# KiCad board USB Cable Tester.kicad_pcb (continued)
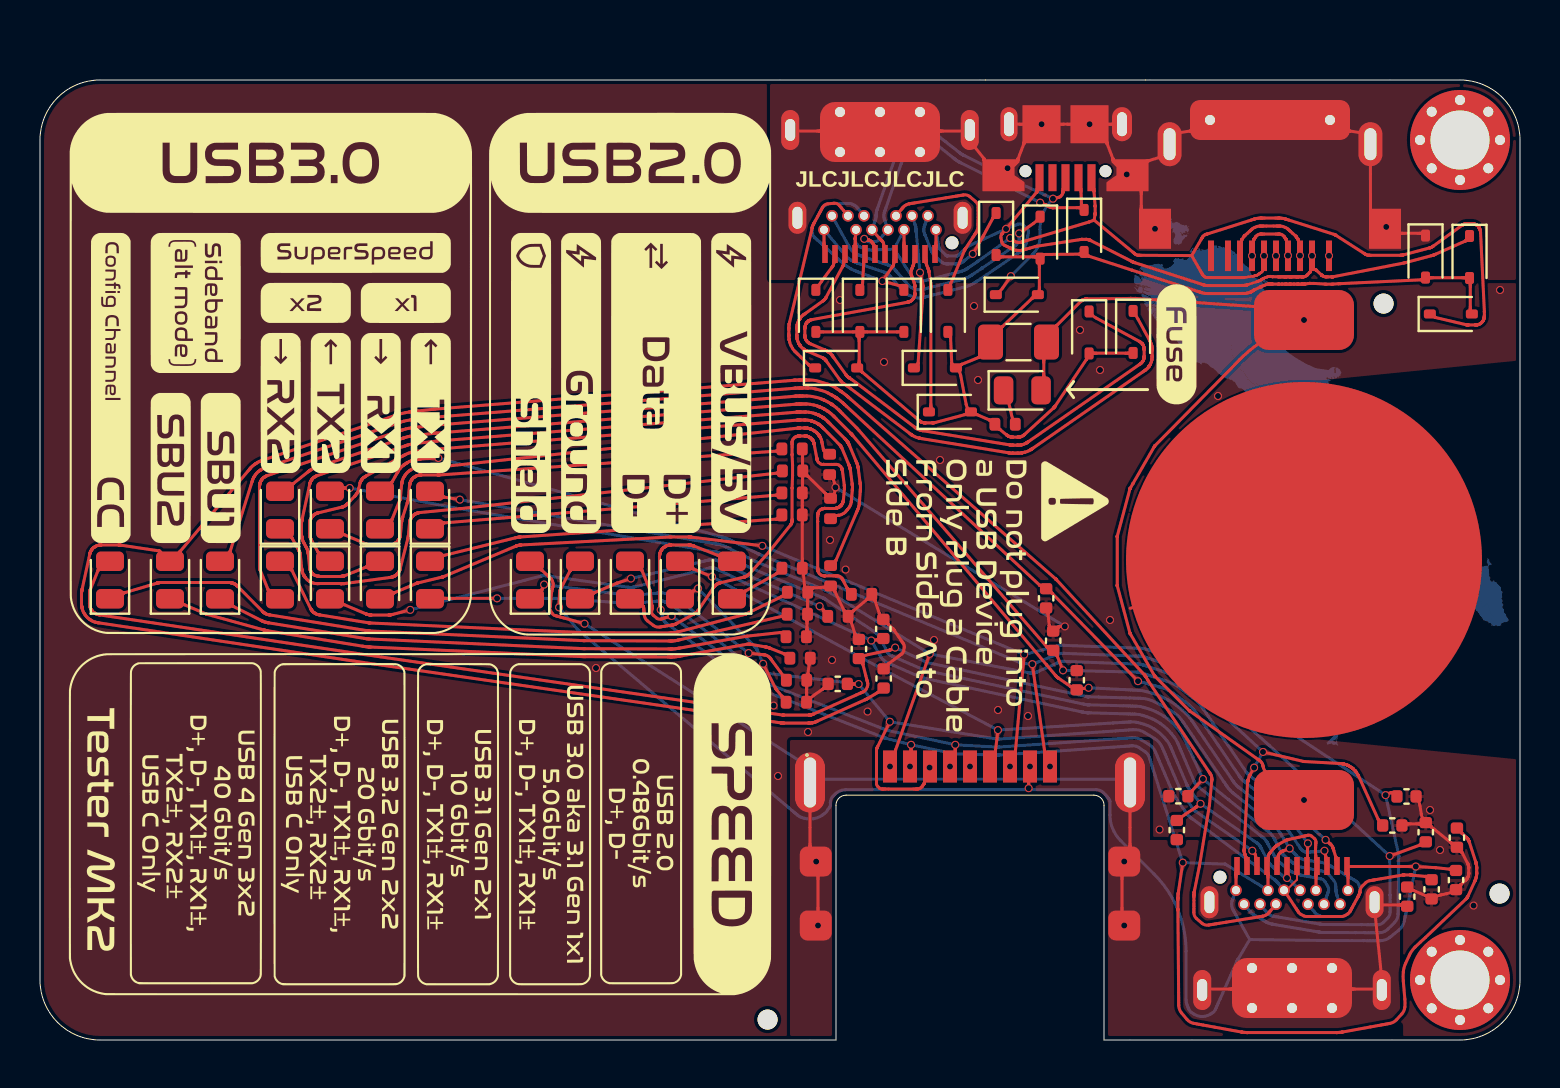
[diagram p0: board, top side]
## Routing (per net, layer and track width the routed paths; a pad name or vN(x,y) marks a point on that pad's centre or on a via; arc(x,y) is an arc through that point) (continued)
/TX1-: length 54.4
  Top w0.15: v1(22.85,22.08) 20.16,22.08 arc(20.13,22.08) 20.09,22.08 D46.2 ; v1(42.49,15.91) 41.85,14.6 arc(41.84,14.58) 41.84,14.57 41.83,14.53 arc(41.83,14.51) 41.83,14.49 41.83,12.81 arc(41.84,12.75) 41.87,12.69 41.97,12.6 arc(42.02,12.56) 42.08,12.55 43.89,12.55 arc(43.93,12.55) 43.97,12.57 44.04,12.61 arc(44.07,12.63) 44.1,12.66 44.21,12.84 arc(44.22,12.84) 44.22,12.85 44.22,12.86 arc(44.22,12.86) 44.23,12.87 44.23,12.91 arc(44.23,12.95) 44.24,12.99 v1(44.48,13.62) J1.8 ; v1(60.62,9.46) 60.73,9.32 arc(60.75,9.3) 60.76,9.27 60.78,9.22 arc(60.78,9.2) 60.78,9.18 60.78,9.11 arc(60.79,9.08) 60.79,9.04 J2.A3 ; C15.1 40.53,17.8 arc(40.57,17.8) 40.61,17.8 v1(40.93,17.8)
  Bottom w0.15: v1(60.62,9.46) 57.75,11.45 arc(57.74,11.47) 57.72,11.48 57.69,11.51 arc(57.68,11.52) 57.67,11.54 57.61,11.62 57.1,12.37 arc(57.08,12.4) 57.06,12.42 57.03,12.48 arc(57.02,12.5) 57.01,12.53 56.95,12.67 56.11,14.64 arc(55.95,14.88) 55.73,15.07 55.22,15.38 arc(54.96,15.49) 54.67,15.52 53.77,15.45 53.18,15.41 47.92,15.05 arc(47.9,15.05) 47.89,15.05 47.86,15.05 arc(47.85,15.05) 47.84,15.05 47.78,15.06 v1(42.49,15.91) v1(40.93,17.8) 36.22,18.35 36.07,18.37 arc(36.04,18.37) 36.02,18.38 35.96,18.4 arc(35.94,18.42) 35.91,18.43 35.17,18.98 arc(35.16,18.98) 35.16,18.99 arc(35.16,18.99) 35.15,18.99 31.86,21.55 arc(31.86,21.56) 31.85,21.56 arc(31.84,21.57) 31.84,21.57 31.82,21.58 arc(31.82,21.59) 31.81,21.59 arc(31.8,21.59) 31.79,21.6 31.23,21.92 arc(31.19,21.93) 31.16,21.94 31.09,21.95 arc(31.06,21.96) 31.03,21.96 29.64,21.83 arc(29.61,21.83) 29.59,21.82 29.53,21.82 arc(29.51,21.82) 29.48,21.83 29.35,21.84 25.98,22.08 arc(25.98,22.08) 25.97,22.08 25.97,22.08 arc(25.96,22.08) 25.96,22.08 v1(22.85,22.08)
/TX2+: length 58.7
  Top w0.15: v1(15.49,27.6) 15.16,27.6 arc(15.13,27.6) 15.09,27.59 D49.2 ; C18.1 57.61,12.47 arc(57.61,12.47) 57.61,12.47 arc(57.62,12.48) 57.62,12.48 v1(58.14,13.05)
  Bottom w0.15: v1(15.49,27.6) 20.9,26.58 arc(20.91,26.58) 20.91,26.57 arc(20.92,26.57) 20.92,26.57 33.63,24.43 33.85,24.39 arc(33.9,24.38) 33.94,24.37 34.03,24.34 arc(34.07,24.32) 34.11,24.3 35.52,23.61 arc(35.56,23.59) 35.6,23.57 arc(35.64,23.55) 35.68,23.54 39.16,22.1 arc(39.17,22.1) 39.18,22.09 39.2,22.08 arc(39.21,22.08) 39.22,22.07 39.27,22.04 41.84,20.33 arc(41.86,20.32) 41.88,20.3 41.92,20.25 arc(41.94,20.23) 41.95,20.21 42.02,20.08 42.38,19.38 arc(42.4,19.35) 42.42,19.32 42.48,19.27 arc(42.51,19.24) 42.54,19.22 42.72,19.15 44.17,18.52 arc(44.19,18.51) 44.21,18.5 44.25,18.49 arc(44.27,18.48) 44.29,18.48 44.39,18.46 52.18,16.8 52.27,16.78 arc(52.29,16.77) 52.31,16.77 52.35,16.76 arc(52.37,16.76) 52.39,16.76 54.53,16.7 54.8,16.69 arc(55.02,16.67) 55.22,16.62 55.43,16.56 arc(55.83,16.4) 56.2,16.19 56.2,16.19 arc(56.54,15.93) 56.84,15.62 56.98,15.46 arc(57.1,15.29) 57.21,15.1 v1(58.14,13.05) 59.42,12.03 arc(59.42,12.02) 59.42,12.02 arc(59.42,12.02) 59.43,12.02 61.45,10.4 arc(61.49,10.36) 61.54,10.31 61.62,10.21 arc(61.66,10.16) 61.69,10.11 62.09,9.35 arc(62.11,9.33) 62.12,9.31 62.15,9.28 arc(62.16,9.26) 62.18,9.25 62.67,8.84 arc(62.73,8.79) 62.8,8.75 62.94,8.68 arc(63.01,8.65) 63.09,8.63 64.16,8.44 arc(64.32,8.38) 64.45,8.26 64.68,7.99 arc(64.77,7.84) 64.8,7.67 64.8,7.46 arc(64.8,7.44) 64.8,7.42 64.81,7.37 arc(64.81,7.34) 64.82,7.32 J2.B2
/TX2-: length 57.7
  Top w0.15: v1(41.56,19.98) 41.84,20.01 arc(41.85,20.01) 41.85,20.01 arc(41.86,20.01) 41.86,20.01 41.89,20.01 arc(41.93,20.01) 41.97,20.02 C19.1 ; v1(18.51,21.51) 17.64,21.28 arc(17.63,21.28) 17.62,21.28 arc(17.61,21.27) 17.6,21.27 17.51,21.25 arc(17.5,21.25) 17.5,21.25 17.48,21.25 arc(17.47,21.25) 17.46,21.25 16.54,21.25 arc(16.53,21.25) 16.52,21.25 16.5,21.25 arc(16.5,21.25) 16.49,21.25 16.39,21.27 arc(16.39,21.27) 16.38,21.28 arc(16.37,21.28) 16.36,21.28 16.35,21.28 arc(16.34,21.29) 16.33,21.29 16.29,21.31 15.2,21.77 arc(15.2,21.77) 15.2,21.77 15.19,21.77 arc(15.19,21.77) 15.19,21.77 D50.2
  Bottom w0.15: v1(18.51,21.51) 25.07,23.2 25.11,23.21 arc(25.13,23.22) 25.16,23.22 25.2,23.22 arc(25.22,23.22) 25.24,23.22 25.35,23.21 29.51,22.63 arc(29.53,22.62) 29.55,22.62 29.59,22.63 arc(29.61,22.63) 29.64,22.63 29.74,22.66 33.53,23.61 arc(33.57,23.62) 33.61,23.62 33.69,23.61 arc(33.73,23.6) 33.76,23.58 35.18,22.88 arc(35.21,22.87) 35.24,22.86 arc(35.27,22.84) 35.3,22.83 v1(41.56,19.98) 42.06,19.13 arc(42.1,19.08) 42.14,19.03 42.24,18.94 arc(42.3,18.9) 42.36,18.87 42.67,18.73 44.02,18.15 arc(44.05,18.13) 44.08,18.12 44.14,18.11 arc(44.17,18.1) 44.2,18.09 52.06,16.41 52.2,16.38 arc(52.22,16.38) 52.25,16.37 52.31,16.37 arc(52.34,16.36) 52.37,16.36 52.51,16.36 54.77,16.29 arc(54.96,16.27) 55.14,16.23 55.32,16.17 arc(55.68,16.03) 56,15.84 arc(56.3,15.6) 56.56,15.33 56.69,15.18 arc(56.8,15.02) 56.88,14.85 57.26,13.97 57.74,12.85 arc(57.75,12.82) 57.77,12.8 57.81,12.76 arc(57.82,12.73) 57.84,12.72 arc(57.87,12.7) 57.89,12.68 61,10.24 61.17,10.1 arc(61.21,10.08) 61.24,10.04 61.3,9.98 arc(61.32,9.94) 61.34,9.9 61.45,9.71 61.75,9.14 arc(61.77,9.1) 61.8,9.07 61.85,9 arc(61.88,8.97) 61.91,8.95 62.45,8.51 arc(62.53,8.45) 62.62,8.4 62.81,8.31 arc(62.9,8.27) 63,8.25 64.04,8.06 arc(64.16,8.01) 64.25,7.92 64.39,7.68 arc(64.43,7.55) 64.42,7.43 J2.B3
/USB_GND: length 75
  Top w0.15: v1(25.95,21.63) 25.97,22.32 arc(25.97,22.33) 25.98,22.34 25.98,22.35 arc(25.98,22.36) 25.98,22.36 arc(25.98,22.37) 25.98,22.38 26,22.45 arc(26,22.46) 26,22.47 arc(26,22.49) 26.01,22.5 26.01,22.52 arc(26.02,22.53) 26.02,22.54 26.49,23.45 arc(26.49,23.45) 26.49,23.45 26.5,23.45 arc(26.5,23.45) 26.5,23.46 26.5,23.46 arc(26.5,23.46) 26.5,23.46 D31.2 ; J2.B12 59.8,8.29 arc(59.8,8.32) 59.8,8.36 J2.A1 ; J2.B1 65.4,8.29 arc(65.4,8.32) 65.4,8.36 65.35,8.67 arc(65.36,8.68) 65.38,8.69 arc(65.42,8.68) 65.45,8.67 v1(68.79,8.67) 69.76,8.62 arc(69.77,8.62) 69.78,8.62 arc(69.78,8.62) 69.79,8.62 70.48,8.54 arc(70.48,8.54) 70.49,8.54 arc(70.49,8.54) 70.49,8.54 70.53,8.54 arc(70.56,8.54) 70.6,8.53 C7.1 ; v1(49.5,13.67) 49.44,12.99 arc(49.43,12.95) 49.43,12.91 v1(49.43,12.59)
  Bottom w0.15: v1(25.95,21.63) 26.88,20.52 arc(26.89,20.52) 26.89,20.51 26.89,20.51 arc(26.9,20.5) 26.91,20.5 arc(26.91,20.49) 26.92,20.48 26.92,20.48 arc(26.93,20.48) 26.93,20.47 26.97,20.45 37.44,11.61 37.9,11.23 arc(38,11.16) 38.1,11.12 38.22,11.09 arc(38.45,11.05) 38.68,11.07 arc(38.91,11.13) 39.11,11.24 39.21,11.31 arc(39.3,11.39) 39.37,11.48 39.4,11.53 arc(39.43,11.58) 39.47,11.63 39.47,11.63 arc(39.51,11.68) 39.52,11.74 39.52,11.86 arc(39.55,12.04) 39.65,12.19 39.75,12.29 arc(40,12.46) 40.3,12.52 49.3,12.52 arc(49.35,12.52) 49.39,12.55 v1(49.43,12.59) 49.47,12.55 arc(49.51,12.52) 49.56,12.52 52.81,12.52 arc(53.01,12.48) 53.17,12.37 53.28,12.26 arc(53.32,12.22) 53.35,12.17 arc(53.38,12.13) 53.42,12.08 53.44,12.06 arc(53.48,11.99) 53.5,11.91 53.5,11.25 arc(53.64,10.56) 54.03,9.97 55.71,8.29 arc(56.89,6.53) 57.3,4.44 57.3,2 arc(57.31,1.89) 57.35,1.78 57.43,1.56 arc(57.49,1.46) 57.57,1.38 57.67,1.31 arc(57.87,1.21) 58.09,1.18 arc(58.32,1.2) 58.52,1.29 58.62,1.36 arc(58.71,1.43) 58.77,1.53 58.91,1.85 59.01,2.06 59.83,3.9 59.85,3.94 arc(59.85,3.95) 59.86,3.96 arc(59.86,3.97) 59.87,3.98 arc(59.87,3.99) 59.88,4 59.88,4.01 arc(59.88,4.01) 59.89,4.02 59.92,4.06 60.49,5.02 ; 60.49,5.02 59.63,6.55 arc(59.6,6.61) 59.59,6.67 59.58,6.81 arc(59.58,6.87) 59.6,6.94 J2.B12 ; 60.49,5.02 64.17,4.98 arc(64.18,4.98) 64.18,4.97 arc(64.19,4.97) 64.2,4.97 67,4.96 arc(67.27,5.01) 67.5,5.14 67.94,5.49 arc(68.11,5.69) 68.21,5.94 68.39,6.76 v1(68.79,8.67)
Net-(D1-K): length 1.8
  Top w0.15: J4.A8 41.19,38.96 arc(41.19,38.92) 41.18,38.89 41.18,38.85 arc(41.18,38.85) 41.18,38.85 arc(41.18,38.85) 41.18,38.84 41.13,37.8 arc(41.13,37.8) 41.13,37.8 41.13,37.8 arc(41.13,37.8) 41.13,37.8 D1.1
Net-(D2-Pad1): length 1.8
  Top w0.15: R1.1 48.69,30.94 arc(48.62,31.11) 48.57,31.28 48.54,31.45 arc(48.45,31.78) 48.33,32.11 D2.1
Net-(D2-Pad2): length 47.5
  Top w0.15: v1(63.2,12) 61.33,13.37 arc(61.23,13.47) 61.18,13.6 61.13,13.78 arc(61.11,13.82) 61.09,13.86 61.03,13.93 arc(61,13.96) 60.97,13.99 60.93,14.01 arc(60.93,14.01) 60.93,14.01 arc(60.93,14.01) 60.92,14.01 60.92,14.02 arc(60.92,14.02) 60.91,14.02 60.9,14.03 arc(60.9,14.03) 60.89,14.03 arc(60.89,14.04) 60.89,14.04 57.48,16.46 arc(57.48,16.46) 57.48,16.46 arc(57.48,16.46) 57.47,16.46 57.47,16.46 arc(57.47,16.46) 57.47,16.46 55.74,18.2 arc(55.74,18.2) 55.73,18.2 55.73,18.2 arc(55.73,18.21) 55.73,18.21 arc(55.73,18.21) 55.73,18.21 54.52,20.31 54.51,20.33 arc(54.5,20.33) 54.5,20.33 arc(54.5,20.33) 54.5,20.33 54.5,20.34 arc(54.5,20.34) 54.5,20.34 arc(54.5,20.35) 54.5,20.35 53.86,22.71 arc(53.86,22.71) 53.86,22.71 arc(53.86,22.71) 53.86,22.72 53.86,22.72 arc(53.86,22.72) 53.86,22.72 53.86,25.17 arc(53.86,25.18) 53.86,25.18 53.86,25.19 arc(53.86,25.19) 53.86,25.19 arc(53.86,25.19) 53.86,25.19 54.5,27.55 arc(54.5,27.55) 54.5,27.56 arc(54.5,27.56) 54.5,27.56 54.5,27.57 arc(54.5,27.57) 54.5,27.57 54.52,27.59 54.65,27.82 55.71,29.67 55.73,29.69 arc(55.73,29.69) 55.73,29.69 arc(55.73,29.7) 55.73,29.7 55.73,29.7 arc(55.74,29.7) 55.74,29.7 arc(55.74,29.71) 55.74,29.71 60,34.03 arc(60.87,34.78) 61.86,35.36 62.49,35.66 arc(62.65,35.95) 62.44,36.21 60.81,36.66 arc(60.77,36.67) 60.73,36.67 60.7,36.67 arc(60.7,36.68) 60.69,36.68 arc(60.69,36.68) 60.69,36.68 54.8,37.08 arc(54.79,37.08) 54.78,37.08 arc(54.77,37.08) 54.76,37.08 54.54,37.08 arc(54.54,37.08) 54.54,37.08 52.33,37.05 arc(52.32,37.05) 52.32,37.05 52.3,37.05 arc(52.29,37.05) 52.29,37.05 arc(52.28,37.05) 52.27,37.04 52.22,37.03 arc(52.21,37.03) 52.19,37.03 52.16,37.01 arc(52.15,37.01) 52.13,37 52.1,36.98 arc(52.1,36.98) 52.1,36.98 52.08,36.96 arc(52.07,36.96) 52.06,36.95 52.05,36.94 arc(52.04,36.94) 52.04,36.93 arc(52.03,36.92) 52.03,36.92 50.85,35.74 arc(50.84,35.73) 50.84,35.73 50.84,35.73 arc(50.84,35.73) 50.84,35.73 arc(50.84,35.73) 50.84,35.73 50.54,35.24 arc(50.36,34.88) 50.26,34.5 50.2,34.13 arc(50.19,34.1) 50.19,34.06 50.19,33.15 arc(50.19,33.11) 50.18,33.07 D2.2
  vias: v1(63.2,36)
Net-(D5-K): length 13.4
  Top w0.15: D5.1 49.9,41.04 arc(49.79,40.93) 49.67,40.83 v1(48.95,40.33)
  Bottom w0.15: v1(48.95,40.33) 48.96,40.05 arc(48.96,40) 48.94,39.94 48.88,39.84 arc(48.85,39.8) 48.81,39.76 48.57,39.6 47.12,38.6 arc(47.12,38.6) 47.11,38.6 46.5,38.19 arc(46.46,38.16) 46.41,38.14 46.31,38.09 arc(46.26,38.07) 46.21,38.06 44.09,37.52 arc(43.98,37.51) 43.86,37.52 43.63,37.6 arc(43.52,37.65) 43.44,37.72 42.72,38.55 arc(42.68,38.59) 42.64,38.62 42.54,38.69 arc(42.5,38.71) 42.44,38.74 42.17,38.83 41.19,39.16 arc(41.15,39.17) 41.11,39.18 arc(41.08,39.2) 41.04,39.21 40.83,39.3 arc(40.76,39.33) 40.7,39.37 40.59,39.47 arc(40.54,39.52) 40.5,39.58 40.32,39.9 J4.B2
Net-(D6-K): length 6.7
  Top w0.15: D6.1 47.63,41.07 arc(47.63,41.07) 47.63,41.07 47.18,40.22 arc(47.16,40.2) 47.15,40.18 arc(47.14,40.17) 47.13,40.15 v1(46.64,39.3)
  Bottom w0.15: J4.B11 44.21,40.65 arc(44.2,40.6) 44.19,40.55 44.2,40.44 arc(44.2,40.39) 44.22,40.33 44.59,39.42 arc(44.6,39.4) 44.61,39.38 44.64,39.34 arc(44.65,39.32) 44.67,39.3 45.06,38.91 arc(45.09,38.88) 45.13,38.86 45.22,38.82 arc(45.27,38.81) 45.31,38.81 45.88,38.81 arc(45.92,38.81) 45.96,38.82 46.03,38.84 arc(46.07,38.86) 46.1,38.88 v1(46.64,39.3)
Net-(D7-K): length 9.2
  Top w0.15: D7.1 45.53,37.8 arc(45.53,37.8) 45.53,37.8 45.53,37.8 arc(45.53,37.81) 45.53,37.81 46.22,39.47 arc(46.22,39.48) 46.23,39.48 arc(46.23,39.49) 46.23,39.5 46.24,39.52 arc(46.25,39.53) 46.26,39.54 46.81,40.38 arc(46.84,40.43) 46.86,40.48 46.89,40.59 arc(46.9,40.65) 46.91,40.7 46.91,41.64 arc(46.87,41.8) 46.77,41.93 46.5,42.17 arc(46.35,42.24) 46.18,42.25 43.49,41.81 43.45,41.81 arc(43.39,41.79) 43.34,41.77 43.25,41.72 arc(43.2,41.69) 43.16,41.65 J4.B8
Net-(D9-K): length 50.8
  Top w0.127: 61.45,38.17 61.36,38.15 arc(61.34,38.15) 61.33,38.14 61.3,38.13 arc(61.29,38.13) 61.27,38.12 arc(61.26,38.12) 61.24,38.11 61.21,38.09 arc(61.2,38.09) 61.2,38.09 61.2,38.09 arc(61.2,38.09) 61.19,38.09 61.19,38.09 arc(61.18,38.08) 61.17,38.08 61.15,38.07 arc(61.14,38.06) 61.13,38.06 61.08,38.02 arc(61.07,38.02) 61.06,38.01 61.05,38.01 arc(61.05,38.01) 61.04,38 61.02,37.99 arc(61.01,37.99) 61,37.98 60.98,37.97 arc(60.96,37.96) 60.95,37.96 60.94,37.95 60.91,37.94 arc(60.91,37.94) 60.9,37.94 60.9,37.93 arc(60.89,37.93) 60.88,37.93 60.87,37.92 arc(60.86,37.92) 60.85,37.92 60.38,37.76 arc(60.37,37.76) 60.37,37.76
  Top w0.15: 60.37,37.76 60.35,37.75 arc(60.33,37.75) 60.31,37.74 60.28,37.73 arc(60.26,37.73) 60.24,37.73 59.87,37.72 arc(59.86,37.72) 59.86,37.72 arc(59.85,37.72) 59.84,37.72 58.37,37.72 arc(58.34,37.72) 58.32,37.73 58.26,37.74 arc(58.23,37.74) 58.2,37.75 58.07,37.79 54.74,38.87 arc(54.73,38.87) 54.71,38.87 arc(54.7,38.88) 54.69,38.88 54.66,38.89 arc(54.65,38.9) 54.63,38.91 54.57,38.94 52.51,39.99 52.5,39.99 arc(52.49,40) 52.48,40 52.46,40.01 arc(52.45,40.01) 52.44,40.01 52.37,40.03 arc(52.37,40.03) 52.36,40.03 52.34,40.03 arc(52.33,40.03) 52.33,40.03 52.09,40.03 arc(52.08,40.03) 52.07,40.03 52.06,40.03 arc(52.06,40.03) 52.05,40.03 49.85,39.69 arc(49.84,39.69) 49.84,39.69 arc(49.83,39.69) 49.82,39.68 49.79,39.68 arc(49.79,39.68) 49.78,39.68 arc(49.78,39.68) 49.78,39.68 49.77,39.67 arc(49.77,39.67) 49.76,39.67 arc(49.76,39.67) 49.76,39.67 49.11,39.49 arc(49.03,39.47) 48.96,39.47 48.8,39.49 arc(48.73,39.5) 48.65,39.53 48.21,39.74 arc(48.14,39.81) 48.09,39.9 48.05,40.11 arc(48.05,40.21) 48.09,40.3 arc(48.09,40.3) 48.09,40.3 v1(48.3,40.55) 49.84,42.4 arc(49.84,42.4) 49.84,42.41 49.85,42.42 arc(49.85,42.43) 49.85,42.43 49.85,42.48 arc(49.85,42.51) 49.86,42.55 J3.5 ; J4.B1 39.2,39.71 arc(39.2,39.68) 39.2,39.64 J4.A12 ; J4.B12 44.8,39.71 arc(44.8,39.68) 44.8,39.64 J4.A1 ; D9.1 71.27,39.95 arc(71.27,39.95) 71.27,39.95 arc(71.27,39.95) 71.27,39.95 arc(71.27,39.95) 71.27,39.95 69.71,39.26 arc(69.7,39.26) 69.69,39.25 69.66,39.24 arc(69.65,39.24) 69.63,39.23 68.26,38.87 arc(68.24,38.86) 68.21,38.85 arc(68.19,38.85) 68.16,38.84 64.66,38.16 64.65,38.16 arc(64.65,38.16) 64.64,38.16 64.62,38.16 arc(64.62,38.16) 64.61,38.16 64.27,38.16 arc(64.25,38.16) 64.22,38.17 64.17,38.18 arc(64.15,38.19) 64.13,38.21 64.1,38.23 arc(64.1,38.23) 64.1,38.23 64.1,38.23 arc(64.1,38.23) 64.09,38.24 64.09,38.24 arc(64.09,38.24) 64.08,38.24 63.8,38.51 arc(63.79,38.51) 63.78,38.52 63.77,38.52 arc(63.76,38.52) 63.76,38.52 63.71,38.52 arc(63.68,38.53) 63.67,38.56 63.64,38.87 arc(63.6,38.9) 63.56,38.87 63.53,38.56 arc(63.53,38.52) 63.53,38.49 63.53,38.44 arc(63.52,38.43) 63.52,38.43 63.52,38.41 arc(63.51,38.41) 63.51,38.4 63.34,38.22 arc(63.31,38.21) 63.29,38.19 63.23,38.17 arc(63.2,38.16) 63.18,38.16 63.13,38.16 arc(63.12,38.16) 63.11,38.16 arc(63.1,38.16) 63.09,38.16 63.08,38.16 arc(63.08,38.16) 63.08,38.16 62.92,38.16 arc(62.92,38.16) 62.92,38.16 62.91,38.16 arc(62.9,38.16) 62.89,38.16 62.89,38.16 arc(62.88,38.16) 62.87,38.16 62.86,38.16 arc(62.85,38.16) 62.85,38.16 arc(62.85,38.16) 62.85,38.16 62.84,38.16 arc(62.84,38.16) 62.83,38.16 62.73,38.17 arc(62.72,38.17) 62.71,38.17 62.69,38.17 arc(62.68,38.17) 62.67,38.17 62.57,38.16 arc(62.56,38.16) 62.56,38.16 62.55,38.16 arc(62.55,38.16) 62.55,38.16 arc(62.55,38.16) 62.54,38.16 62.53,38.16 arc(62.52,38.16) 62.51,38.16 arc(62.5,38.16) 62.49,38.16 62.48,38.16 arc(62.48,38.16) 62.48,38.16 62.32,38.16 arc(62.32,38.16) 62.32,38.16 62.31,38.16 arc(62.3,38.16) 62.29,38.16 62.29,38.16 arc(62.28,38.16) 62.27,38.16 62.26,38.16 arc(62.25,38.16) 62.25,38.16 arc(62.25,38.16) 62.25,38.16 62.24,38.16 arc(62.24,38.16) 62.23,38.16 62.13,38.17 arc(62.12,38.17) 62.11,38.17 62.09,38.17 arc(62.08,38.17) 62.07,38.17 61.98,38.16 arc(61.97,38.16) 61.96,38.16 arc(61.95,38.16) 61.94,38.16 61.93,38.16 arc(61.92,38.16) 61.92,38.16 arc(61.92,38.16) 61.91,38.16 61.65,38.17 arc(61.64,38.17) 61.64,38.17 arc(61.63,38.17) 61.63,38.17 61.62,38.17 arc(61.61,38.17) 61.61,38.17 arc(61.61,38.17) 61.6,38.17 61.55,38.18 arc(61.5,38.18) 61.45,38.17
  Bottom w0.15: J4.B12 44.95,39.6 arc(44.95,39.6) 44.95,39.59 44.96,39.58 arc(44.96,39.58) 44.96,39.57 45.31,39.22 arc(45.32,39.22) 45.32,39.21 45.34,39.21 arc(45.35,39.21) 45.35,39.21 45.85,39.21 arc(45.85,39.21) 45.86,39.21 45.87,39.21 arc(45.88,39.22) 45.89,39.22 46.32,39.62 arc(46.33,39.63) 46.34,39.65 arc(46.36,39.66) 46.37,39.67 46.4,39.69 arc(46.42,39.7) 46.43,39.71 46.52,39.74 v1(48.3,40.55) 48.91,40.79 arc(49.03,40.81) 49.14,40.76 49.34,40.59 arc(49.41,40.5) 49.42,40.38 49.35,39.96 arc(49.3,39.79) 49.23,39.64 arc(49.12,39.51) 48.99,39.4 48.7,39.2 47.35,38.27 arc(47.34,38.27) 47.34,38.27 arc(47.33,38.26) 47.33,38.26 46.71,37.85 arc(46.65,37.81) 46.59,37.78 46.46,37.72 arc(46.39,37.7) 46.32,37.68 45.98,37.59 44.35,37.17 44.14,37.12 arc(43.97,37.1) 43.8,37.13 43.46,37.23 arc(43.3,37.31) 43.17,37.42 42.44,38.27 arc(42.42,38.29) 42.39,38.31 42.34,38.34 arc(42.32,38.35) 42.29,38.37 42.15,38.41 41.07,38.77 arc(41.02,38.79) 40.98,38.81 arc(40.93,38.82) 40.88,38.84 40.67,38.93 arc(40.6,38.96) 40.54,39 40.41,39.09 arc(40.35,39.14) 40.3,39.2 40.05,39.49 J4.B1
  vias: v1(63.6,39.21)
Net-(D12-K): length 2.1
  Top w0.15: J4.A11 39.69,38.96 arc(39.69,38.92) 39.69,38.89 39.69,38.83 arc(39.68,38.8) 39.68,38.82 arc(39.68,38.8) 39.68,38.78 39.66,38.73 arc(39.65,38.71) 39.64,38.69 39.57,38.6 39.07,37.92 arc(38.97,37.78) 38.88,37.64 D12.1
Net-(D15-K): length 22.2
  Top w0.15: J3.3 51.16,42.55 arc(51.15,42.51) 51.15,42.48 51.15,42.38 arc(51.14,42.33) 51.11,42.28 51.04,42.19 arc(51,42.16) 50.95,42.14 v1(50.65,42.06) ; D15.1 47.92,37.37 arc(48.03,37.48) 48.13,37.6 v1(48.54,38.19) ; J4.A6 42.19,39.64 arc(42.19,39.68) 42.18,39.71 42.18,39.78 arc(42.18,39.81) 42.17,39.84 42.15,39.89 arc(42.14,39.91) 42.12,39.94 41.99,40.07 arc(41.97,40.09) 41.96,40.1 arc(41.95,40.11) 41.93,40.13 J4.B6
  Bottom w0.15: v1(48.54,38.19) 49.65,39.3 arc(49.91,39.69) 50,40.15 50,40.53 arc(50.16,41.35) 50.62,42.04 v1(50.65,42.06) 50.2,42.28 arc(50.2,42.28) 50.2,42.28 49.02,42.82 arc(49.01,42.82) 49.01,42.82 46.16,44.25 46.13,44.27 arc(46.11,44.27) 46.09,44.28 46.06,44.31 arc(46.04,44.32) 46.03,44.33 44.6,45.44 arc(44.46,45.53) 44.29,45.57 44.12,45.59 arc(43.79,45.57) 43.48,45.47 arc(43.2,45.29) 42.99,45.03 42.9,44.89 arc(42.83,44.74) 42.81,44.57 42.81,44.37 arc(42.81,44.33) 42.8,44.3 42.79,44.23 arc(42.78,44.2) 42.77,44.17 42.72,44.01 41.85,41.5 arc(41.83,41.46) 41.83,41.42 41.81,41.33 arc(41.81,41.29) 41.81,41.25 41.81,41.19 arc(41.8,41.16) 41.8,41.14 41.79,41.09 arc(41.79,41.06) 41.78,41.04 J4.B6
Net-(D17-K): length 10.5
  Top w0.15: J4.B3 39.97,41.73 arc(39.85,41.82) 39.7,41.84 39.38,41.81 arc(39.24,41.76) 39.14,41.65 38.66,40.77 arc(38.65,40.75) 38.65,40.73 38.63,40.69 arc(38.62,40.67) 38.62,40.65 38.61,40.62 arc(38.61,40.61) 38.61,40.6 38.61,40.6 arc(38.61,40.58) 38.6,40.57 37.48,35.9 arc(37.48,35.88) 37.47,35.85 37.47,35.84 arc(37.47,35.83) 37.47,35.82 37.46,35.79 arc(37.45,35.76) 37.45,35.73 37.45,35.68 arc(37.44,35.65) 37.44,35.62 37.44,35.19 arc(37.44,35.16) 37.45,35.13 37.45,35.08 arc(37.45,35.05) 37.46,35.02 37.49,34.89 arc(37.51,34.81) 37.54,34.73 37.62,34.58 arc(37.67,34.51) 37.73,34.45 38.45,33.75 arc(38.45,33.74) 38.45,33.74 arc(38.45,33.74) 38.45,33.74 38.46,33.74 arc(38.46,33.74) 38.46,33.74 38.46,33.74 arc(38.46,33.74) 38.46,33.74 D17.1
Net-(D19-K): length 54
  Top w0.127: v1(61.2,39.21) 61.12,38.54 arc(61.11,38.51) 61.11,38.48 61.11,38.44 arc(61.11,38.43) 61.11,38.42 61.1,38.41 arc(61.1,38.4) 61.09,38.4 arc(61.08,38.39) 61.08,38.39 60.98,38.33 arc(60.97,38.32) 60.96,38.31 60.94,38.3 arc(60.92,38.29) 60.91,38.28 60.89,38.26 arc(60.87,38.25) 60.86,38.24 60.84,38.23 arc(60.82,38.23) 60.81,38.22 60.73,38.21 arc(60.73,38.21) 60.73,38.21 60.73,38.2 arc(60.73,38.2) 60.73,38.2 arc(60.73,38.2) 60.73,38.2 arc(60.72,38.2) 60.72,38.2 60.64,38.19 arc(60.63,38.19) 60.63,38.18 arc(60.62,38.18) 60.61,38.18 60.22,38.13 arc(60.21,38.13) 60.2,38.13
  Top w0.15: J4.B9 43.2,39.71 arc(43.2,39.68) 43.21,39.64 J4.A4 ; D19.1 69.77,36.13 arc(69.77,36.13) 69.77,36.13 69.78,36.12 arc(69.78,36.12) 69.78,36.12 71.28,35.77 arc(71.29,35.77) 71.29,35.77 arc(71.3,35.77) 71.3,35.76 71.35,35.75 arc(71.36,35.75) 71.37,35.75 71.38,35.75 arc(71.39,35.75) 71.4,35.75 71.79,35.75 arc(71.8,35.75) 71.8,35.75 71.82,35.75 arc(71.83,35.75) 71.84,35.75 arc(71.84,35.76) 71.85,35.76 71.9,35.77 arc(71.92,35.77) 71.93,35.78 71.96,35.79 arc(71.98,35.8) 71.99,35.8 72.05,35.85 arc(72.07,35.86) 72.08,35.87 72.1,35.89 arc(72.11,35.9) 72.12,35.91 72.16,35.98 arc(72.17,35.99) 72.18,36.01 72.19,36.04 arc(72.2,36.05) 72.2,36.07 72.21,36.13 arc(72.22,36.14) 72.22,36.15 72.22,36.16 arc(72.22,36.17) 72.22,36.18 72.22,36.41 arc(72.22,36.41) 72.22,36.42 arc(72.22,36.43) 72.22,36.44 72.03,40.41 arc(72.03,40.42) 72.02,40.42 72.02,40.43 arc(72.02,40.44) 72.02,40.45 arc(72.02,40.45) 72.02,40.46 72.01,40.51 arc(72,40.53) 72,40.54 71.99,40.57 arc(71.98,40.58) 71.97,40.6 71.95,40.63 arc(71.95,40.63) 71.95,40.63 arc(71.95,40.63) 71.95,40.63 71.93,40.66 arc(71.92,40.68) 71.91,40.69 71.89,40.71 arc(71.87,40.72) 71.86,40.73 arc(71.85,40.74) 71.84,40.75 71.8,40.77 arc(71.78,40.78) 71.77,40.79 71.74,40.8 arc(71.73,40.8) 71.71,40.81 71.64,40.82 arc(71.64,40.82) 71.63,40.82 71.61,40.83 arc(71.6,40.83) 71.6,40.83 71.36,40.83 arc(71.35,40.83) 71.34,40.83 71.32,40.82 arc(71.32,40.82) 71.31,40.82 arc(71.3,40.82) 71.29,40.82 71.24,40.81 arc(71.23,40.8) 71.21,40.8 71.18,40.79 arc(71.17,40.78) 71.15,40.77 71.12,40.75 arc(71.12,40.75) 71.12,40.75 71.11,40.74 arc(71.1,40.74) 71.1,40.74 arc(71.09,40.73) 71.09,40.73 69.66,39.69 arc(69.66,39.69) 69.65,39.69 arc(69.65,39.68) 69.64,39.68 69.62,39.67 arc(69.61,39.66) 69.6,39.65 arc(69.59,39.64) 69.58,39.64 69.55,39.63 arc(69.54,39.62) 69.53,39.62 69.46,39.6 68.12,39.24 arc(68.11,39.24) 68.1,39.24 68.08,39.24 arc(68.07,39.24) 68.06,39.23 66.43,39.23 arc(66.4,39.24) 66.38,39.24 66.34,39.25 arc(66.31,39.26) 66.29,39.27 66.2,39.34 64.77,40.25 arc(64.76,40.26) 64.75,40.26 64.73,40.27 arc(64.72,40.27) 64.71,40.28 arc(64.7,40.28) 64.69,40.28 62.25,41.06 arc(62.21,41.07) 62.16,41.08 62.08,41.09 arc(62.04,41.1) 61.99,41.1 61.01,41.1 arc(60.96,41.1) 60.92,41.09 60.84,41.08 arc(60.79,41.07) 60.75,41.06 58.27,40.27 arc(58.25,40.26) 58.22,40.24 58.17,40.21 arc(58.15,40.19) 58.13,40.16 57.59,39.22 ; 52.71,40.99 52.48,40.91 arc(52.47,40.91) 52.46,40.91 arc(52.45,40.9) 52.44,40.9 49.29,39.96 49.03,39.88 arc(48.98,39.87) 48.93,39.88 48.82,39.89 arc(48.77,39.91) 48.73,39.94 v1(48.51,40.1) ; 52.71,40.99 54.76,39.29 arc(54.79,39.28) 54.81,39.26 54.87,39.24 arc(54.89,39.24) 54.92,39.24 57.59,39.22 ; 52.71,40.99 52.75,41.26 arc(52.75,41.26) 52.75,41.27 arc(52.75,41.28) 52.75,41.28 52.76,41.3 arc(52.76,41.3) 52.76,41.31 52.76,41.69 arc(52.76,41.7) 52.76,41.7 52.76,41.71 arc(52.76,41.71) 52.75,41.71 arc(52.75,41.72) 52.75,41.72 52.7,42.43 arc(52.7,42.43) 52.7,42.44 arc(52.7,42.44) 52.7,42.44 52.7,42.48 arc(52.7,42.51) 52.69,42.55 J3.1 ; 57.59,39.22 58.14,38.25 arc(58.17,38.21) 58.2,38.19 58.27,38.14 arc(58.31,38.13) 58.36,38.12 60.16,38.12 arc(60.17,38.12) 60.17,38.12 60.19,38.13 arc(60.2,38.13) 60.2,38.13 ; J4.A9 40.76,39.64 arc(40.76,39.68) 40.76,39.71 40.76,40.06 arc(40.76,40.07) 40.76,40.07 40.76,40.08 arc(40.76,40.09) 40.76,40.09 arc(40.76,40.1) 40.76,40.1 J4.B4
  Bottom w0.15: v1(48.51,40.1) 46.91,38.94 arc(46.9,38.94) 46.89,38.93 arc(46.89,38.93) 46.88,38.92 46.3,38.53 arc(46.26,38.51) 46.23,38.5 46.16,38.47 arc(46.13,38.45) 46.09,38.44 45.91,38.4 44.16,37.95 44.04,37.92 arc(43.97,37.91) 43.9,37.93 43.77,37.98 arc(43.71,38.01) 43.66,38.07 43.46,38.37 42.71,39.55 ; 42.71,39.55 41.6,39.49 arc(41.54,39.49) 41.49,39.5 41.38,39.52 arc(41.33,39.53) 41.27,39.55 40.97,39.67 arc(40.91,39.7) 40.87,39.76 40.79,39.89 arc(40.76,39.95) 40.76,40.02 J4.B4 ; 42.71,39.55 J4.B9
Net-(D20-K): length 29.1
  Top w0.15: J4.A10 40.19,38.96 arc(40.19,38.92) 40.18,38.89 40.18,38.87 arc(40.18,38.85) 40.18,38.83 arc(40.18,38.81) 40.18,38.8 40.17,38.76 arc(40.17,38.74) 40.16,38.73 40.12,38.65 39.3,37.12 arc(39.3,37.12) 39.29,37.12 arc(39.29,37.11) 39.29,37.11 39.29,37.1 arc(39.28,37.1) 39.28,37.1 arc(39.28,37.09) 39.28,37.09 39.26,37.07 arc(39.26,37.06) 39.25,37.05 arc(39.24,37.03) 39.23,37.02 39.21,37 arc(39.2,36.99) 39.19,36.98 38.15,36.24 arc(38.13,36.22) 38.1,36.2 38.06,36.15 arc(38.04,36.13) 38.02,36.1 37.99,36.06 arc(37.99,36.06) 37.98,36.06 arc(37.98,36.05) 37.98,36.05 37.95,36.01 arc(37.93,35.98) 37.92,35.94 37.89,35.88 arc(37.88,35.85) 37.87,35.81 37.85,35.72 arc(37.85,35.7) 37.85,35.68 37.84,35.65 arc(37.84,35.63) 37.84,35.61 37.84,35.2 arc(37.84,35.18) 37.84,35.16 37.85,35.13 arc(37.85,35.11) 37.85,35.09 37.87,35 arc(37.88,34.96) 37.89,34.93 37.92,34.86 arc(37.93,34.83) 37.95,34.8 38,34.73 arc(38,34.73) 38,34.73 38.02,34.71 arc(38.04,34.68) 38.06,34.65 38.11,34.6 arc(38.14,34.58) 38.17,34.55 38.22,34.52 arc(38.22,34.52) 38.22,34.52 38.25,34.5 arc(38.26,34.49) 38.28,34.48 38.31,34.47 arc(38.32,34.46) 38.34,34.45 38.41,34.42 39.11,34.12 arc(39.12,34.12) 39.12,34.12 arc(39.13,34.11) 39.14,34.11 39.15,34.1 arc(39.16,34.1) 39.16,34.1 arc(39.17,34.09) 39.17,34.09 39.22,34.06 arc(39.23,34.05) 39.24,34.04 39.26,34.02 arc(39.27,34.01) 39.28,34 39.97,33.04 arc(39.98,33.03) 39.99,33.01 39.99,33.01 arc(40,33) 40,32.99 arc(40.01,32.98) 40.02,32.98 40.03,32.96 arc(40.04,32.95) 40.04,32.94 40.07,32.92 arc(40.08,32.9) 40.1,32.88 40.14,32.85 arc(40.16,32.84) 40.18,32.82 40.18,32.82 arc(40.2,32.81) 40.21,32.8 40.21,32.8 arc(40.22,32.79) 40.22,32.79 arc(40.23,32.79) 40.24,32.78 40.24,32.78 arc(40.25,32.77) 40.26,32.76 40.35,32.71 arc(40.44,32.64) 40.53,32.57 43.47,30.34 arc(43.5,30.32) 43.53,30.3 43.55,30.28 arc(43.56,30.28) 43.56,30.27 43.57,30.27 arc(43.57,30.26) 43.57,30.26 arc(43.58,30.26) 43.58,30.26 43.64,30.22 arc(43.69,30.19) 43.74,30.17 43.84,30.13 arc(43.89,30.11) 43.94,30.1 44.02,30.08 arc(44.04,30.08) 44.06,30.07 arc(44.08,30.07) 44.1,30.07 48.43,29.36 48.47,29.35 arc(48.49,29.35) 48.52,29.35 48.56,29.34 arc(48.59,29.34) 48.61,29.34 48.93,29.34 arc(48.96,29.34) 48.98,29.34 49.04,29.35 arc(49.07,29.35) 49.09,29.36 49.23,29.38 arc(49.28,29.4) 49.33,29.42 49.43,29.46 arc(49.48,29.48) 49.53,29.51 49.61,29.57 arc(49.62,29.57) 49.63,29.58 arc(49.64,29.58) 49.65,29.59 55.15,33.41 55.29,33.51 arc(55.32,33.53) 55.34,33.55 55.39,33.6 arc(55.41,33.63) 55.43,33.66 55.5,33.75 arc(55.51,33.78) 55.53,33.81 55.56,33.88 arc(55.57,33.91) 55.58,33.95 55.6,34.04 arc(55.6,34.06) 55.6,34.08 55.6,34.11 arc(55.61,34.13) 55.61,34.15 55.61,34.56 arc(55.61,34.58) 55.6,34.59 55.6,34.63 arc(55.6,34.65) 55.6,34.66 55.58,34.75 arc(55.57,34.78) 55.56,34.81 55.54,34.86 arc(55.53,34.88) 55.52,34.91 55.46,35.03 54.91,36.03 arc(54.83,36.17) 54.74,36.31 D20.1